# KiCad board Processor Board.kicad_pcb (continued)
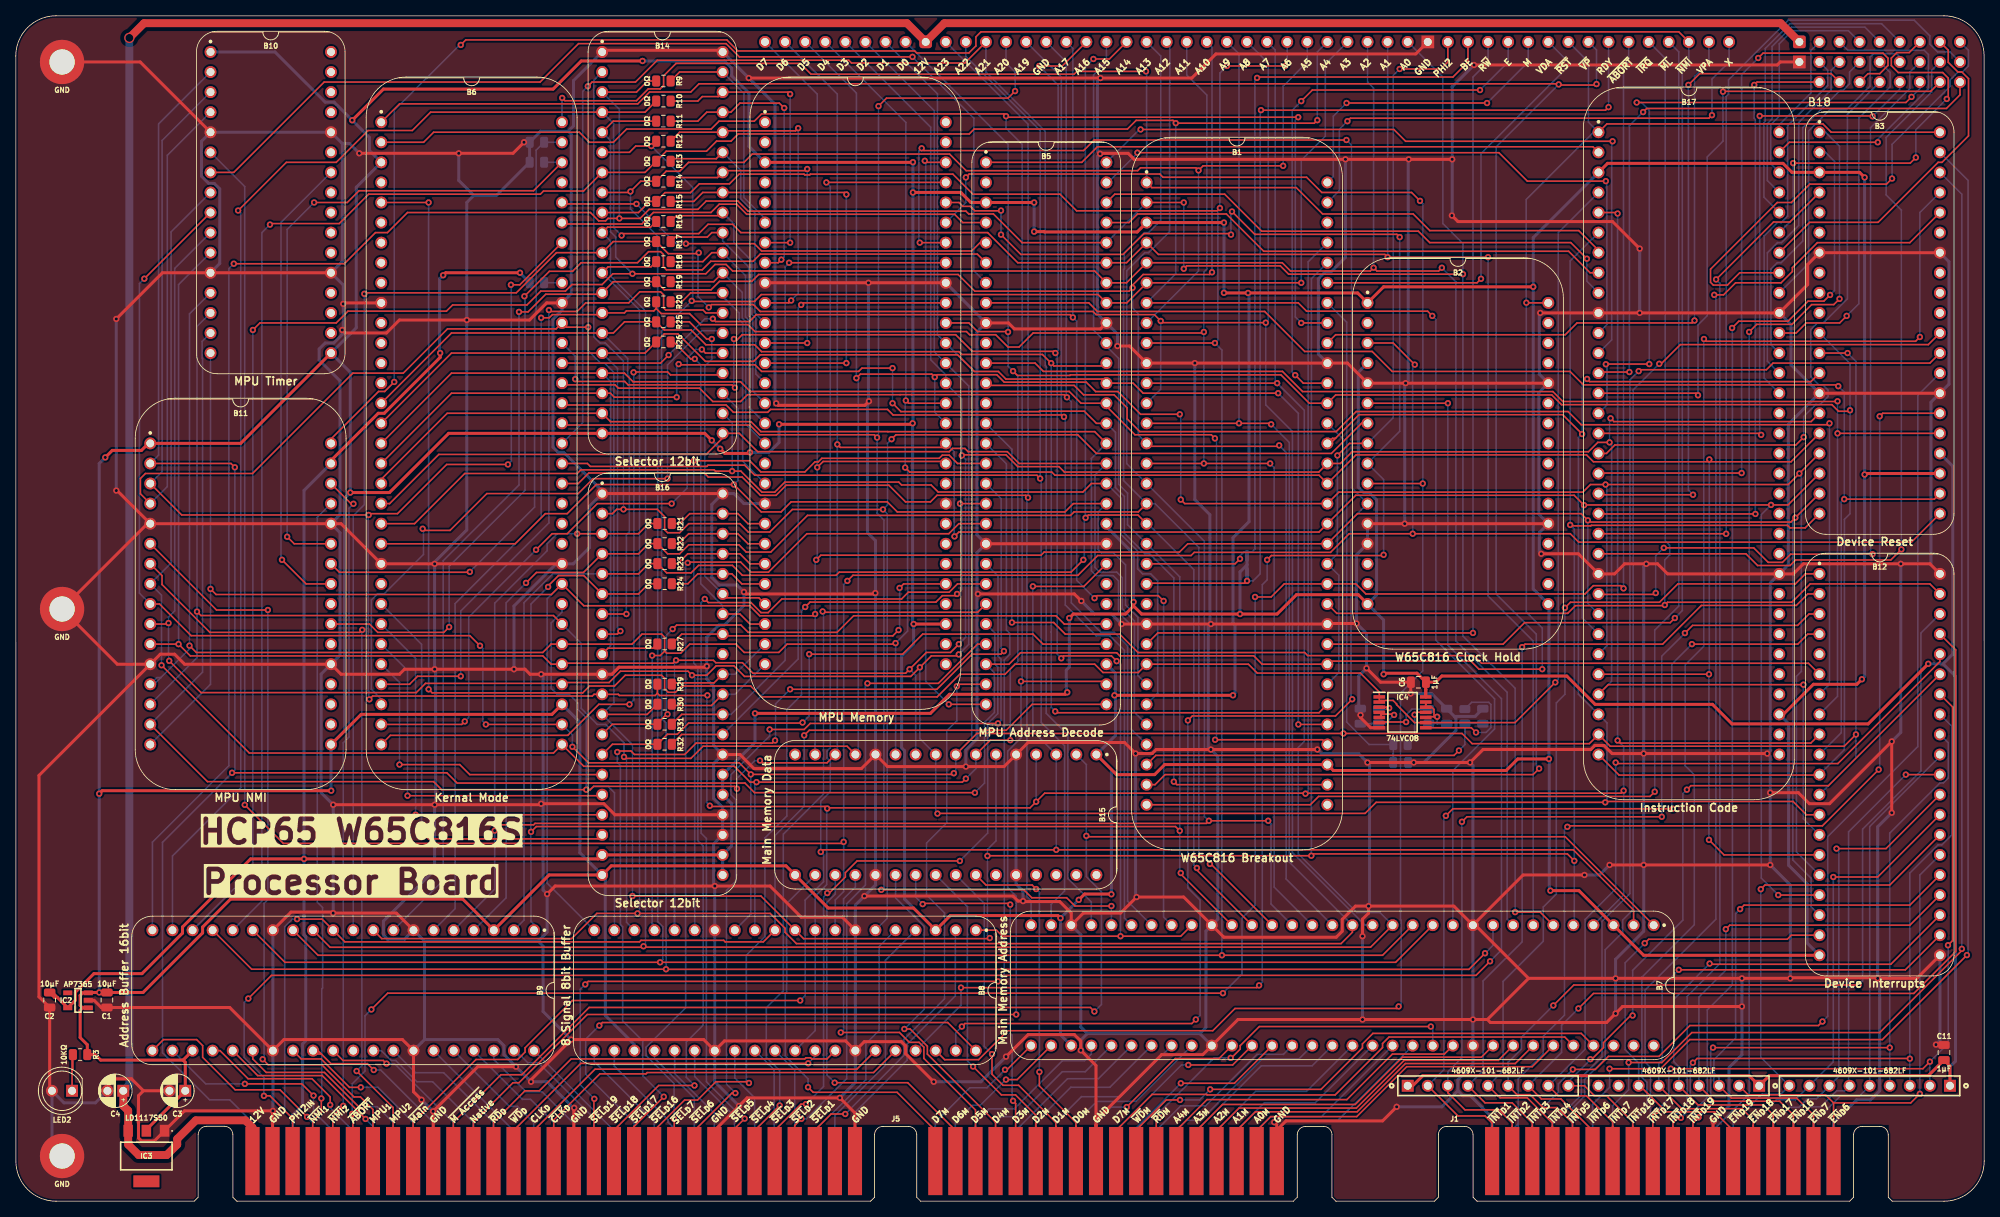
[diagram p0: board, top side]
## Routing (per net, layer and track width the routed paths; a pad name or vN(x,y) marks a point on that pad's centre or on a via; arc(x,y) is an arc through that point) (continued)
/IC12: length 44.4
  Top w0.2: v1(231.55,112.02) 230.65,111.13 226.42,111.13 225.15,109.86 B17.54
  Bottom w0.2: v1(231.55,112.02) 233.08,113.56 233.08,137.04 237.04,141 237.04,142.82 B18.14
/IC13: length 42.4
  Bottom w0.2: B17.53 221.97,108.37 221.97,117.95 222.76,118.75 223.25,118.75 225.99,121.48 225.99,135.84 230.71,140.56 231.07,140.56 231.91,141.39 231.91,142.88 B18.13
/IC14: length 44.1
  Bottom w0.2: B17.52 221.52,106.28 221.52,120.01 222.79,121.29 223.3,121.29 225.48,123.47 225.48,136.49 229.57,140.59 229.57,143.08 B18.12
/IC15: length 46.8
  Bottom w0.2: B17.51 221.11,104.15 221.11,122.15 222.78,123.83 223.27,123.83 224.08,124.63 224.08,136.1 229.15,141.17 229.15,143.1 B18.11
/Kernal Mode: length 2.3
  Bottom w0.2: R8.1 69.06,116.22
/M: length 38.7
  Top w0.2: v1(168.29,138.95) v1(186.06,138.95)
  Bottom w0.2: v1(168.29,138.95) 166.62,137.28 166.62,129.66 B1.64 ; v1(186.06,138.95) 186.08,138.95 191.27,144.15 B13.39
/OP0: length 60.9
  Top w0.2: v1(237.28,129.4) 236.58,128.69 226.87,128.69 224.55,126.37 222.76,126.37 214.33,117.93 214.33,116.27 214.68,115.91 216.46,115.91 218.02,117.48 B17.57
  Bottom w0.2: v1(237.28,129.4) 237.28,133.72 244.61,141.05 244.61,141.84 245.64,142.88 246.18,142.88 246.94,143.63 246.94,145.63 B18.9
/OP1: length 43.7
  Top w0.2: B17.58 226.86,123.86 235.52,123.86 243.11,131.45 243.6,131.45 246.95,134.8 246.95,142.04 246.12,142.88 245.62,142.88 244.39,144.1 244.39,145.63 B18.8
/OP2: length 50.3
  Top w0.2: B18.7 239.45,145.33 237.89,145.33 237.19,144.64 237.19,143.69 238.07,142.81 243.69,142.81 244.39,142.11 244.39,139.66 v1(244.2,139.47) ; v1(240.29,132.05) 239.58,131.35 v1(224.78,131.35)
  Bottom w0.2: v1(224.78,131.35) 224.78,124.31 B17.59 ; v1(240.29,132.05) 240.29,135.56 v1(244.2,139.47)
/OP3: length 40.9
  Bottom w0.2: B18.6 235.95,148.99 224.39,148.99 221.25,145.85 221.25,136.64 221.08,136.47 221.08,127.03 B17.60
/OP4: length 34.7
  Bottom w0.2: B18.5 233.85,148.55 224.55,148.55 222.11,146.11 222.11,136.93 221.51,136.34 221.51,129.14 B17.61
/OP5: length 28.6
  Bottom w0.2: B18.4 231.76,148.1 224.68,148.1 223.02,146.45 223.02,137.28 221.94,136.2 221.94,131.25 B17.62
/OP6: length 38.6
  Top w0.2: v1(235.48,133.99) 224.29,133.99 B17.63
  Bottom w0.2: B18.3 231.7,145.62 241.36,145.62 241.88,145.09 241.88,140.76 235.48,134.36 v1(235.48,133.99)
/OP7: length 13.5
  Bottom w0.2: B18.2 227.03,145.61 227.03,140.23 223.02,136.22 B17.64
/Opcode Valid: length 154.8
  Top w0.2: 200.16,120.31 197.66,122.81 178.82,122.81 176.72,124.92 165.27,124.92 161.93,128.25 143.66,128.25 143.29,128.62 ; v1(69.1,139.6) 69.45,139.25 78.49,139.25 79.99,140.74 81.48,140.74 81.92,141.18 81.92,142.39 83.5,143.97 99.2,143.97 100.56,142.6 133.85,142.6 134.2,142.95 v1(142.93,142.95)
  Bottom w0.2: B1.1 143.01,142.87 v1(142.93,142.95) ; v1(69.1,139.6) 69.07,139.57 B6.64
/PHI2: length 93.2
  Top w0.2: B13.35 181.11,144.15 180.22,143.26 v1(175.01,143.26) ; B2.8 168.66,95.89 v1(167.14,94.36)
  Bottom w0.2: v1(167.14,94.36) 167.14,81.92 B1.45 167.32,79.2 167.32,66.86 B1.39 ; B2.8 174.2,99.14 174.2,142.44 v1(175.01,143.26)
/RDY: length 126.4
  Top w0.2: 143.1,78.19 155.42,78.19 v1(155.71,78.49) ; v1(201.43,138.43) 201.05,138.05 v1(157.48,138.05)
  Bottom w0.2: NT2.1 v1(155.71,78.49) 156.47,78.49 157.36,79.38 157.36,137.93 v1(157.48,138.05) ; B13.43 v1(201.43,138.43)
/RTI: length 78.5
  Top w0.2: v1(57.41,79.63) 57.36,79.58 40.93,79.58 B11.26
  Bottom w0.2: B6.63 R7.1 65.8,132.98 65.8,112.49 65.61,112.3 65.61,87.83 v1(57.41,79.63)
/R~{W}: length 117.4
  Top w0.2: B1.24 144.43,71.9 v1(184.29,71.9)
  Bottom w0.2: B13.37 186.19,144.15 184.29,142.24 v1(184.29,71.9)
/SA0: length 27.8
  Top w0.2: B14.39 83.94,142.88 R9.2
  Bottom w0.2: 89.39,142.85 92.08,140.16 92.08,127 94.75,124.33
/SA1: length 38.5
  Top w0.2: 88.83,139.77 B14.38 ; 88.83,139.77 86.82,139.77 86.25,139.2 82.81,139.2 ; 88.83,139.77 B14.38 ; B14.38 97.67,140.34 v1(97.92,140.08) ; v1(97.92,121.29) 97.92,121.29 B4.7
  Bottom w0.2: v1(97.92,140.08) v1(97.92,121.29)
/SA2: length 37.1
  Top w0.2: v1(96.81,119.13) 96.43,118.75 B4.8 ; v1(97.17,138.33) 96.56,138.94 91.58,138.94 90.43,137.8 B14.37 87.38,137.8 86.25,136.66 82.81,136.66
  Bottom w0.2: v1(97.17,138.33) 97.16,138.31 97.16,119.48 v1(96.81,119.13)
/SA3: length 42.9
  Top w0.2: 83.38,134.69 83.38,134.69 R12.2 ; 83.38,134.69 82.81,134.12 ; 83.38,134.69 83.95,135.26 B14.36 ; B4.10 97.75,113.67 v1(98.05,113.97) ; v1(98.94,135.76) 98.61,135.44 89.57,135.44
  Bottom w0.2: v1(98.94,135.76) 98.94,114.86 v1(98.05,113.97)
/SA4: length 30.4
  Top w0.2: B14.35 88.58,131.91 83.14,131.91
  Bottom w0.2: B4.11 93.48,112.4 93.48,125.03 91.68,126.83 91.68,130.42 B14.35
/SA5: length 44.5
  Top w0.2: 82.81,129.05 83.28,129.53 88.74,129.53 89.07,129.85 ; 89.61,130.4 99.87,130.4 v1(100.08,130.61) ; B4.12 v1(100.08,108.59)
  Bottom w0.2: v1(100.08,108.59) v1(100.08,130.61)
/SA6: length 54.4
  Top w0.2: R15.2 85.74,126.5 86.88,127.64 B14.33 104.78,127.64 v1(105.04,127.38) ; v1(105.04,106.05) B4.13
  Bottom w0.2: v1(105.04,127.38) v1(105.04,106.05)
/SA7: length 31.3
  Top w0.2: R16.2 83.55,124.7 88.99,124.7
  Bottom w0.2: B4.14 93.59,104.67 93.59,111.72 93.08,112.23 93.08,118.97 90.82,121.23 90.82,123.67 90.1,124.38 ; 90.1,124.38 B14.32 90.1,124.38
/SA8: length 30.3
  Top w0.2: R17.2 83.38,121.99 87.45,121.99 88.02,122.56 B14.31
  Bottom w0.2: 89.39,122.03 89.39,121.5 92.68,118.21 92.68,112.06 93.19,111.56 93.19,102.53 B4.15
/SA9: length 30.9
  Top w0.2: B14.30 88.02,120.02 86.89,118.88 R18.2
  Bottom w0.2: B4.16 92.72,100.45 92.72,111.45 92.28,111.9 92.28,117.13 B14.30
/SA10: length 30.9
  Top w0.2: B14.29 88.26,116.34 R19.2
  Bottom w0.2: B4.17 92.32,98.32 92.32,111.3 91.88,111.73 91.88,114.99 B14.29
/SA11: length 33.6
  Top w0.2: R20.2 84.22,113.8 85.34,114.92 89.38,114.92
  Bottom w0.2: B4.19 91.92,93.64 91.92,111.13 91.48,111.57 91.48,112.39 89.9,113.98 ; 89.9,113.98 89.39,114.48 89.9,113.98
/SA12: length 12.8
  Top w0.2: R21.2 83.97,85.75 85.22,87 B16.39 91.32,87 92.59,85.73 B4.21
/SA13: length 12.8
  Top w0.2: B4.22 92.59,83.19 91.32,84.46 B16.38 85.1,84.46 83.85,83.21 R22.2
/SA14: length 12.8
  Top w0.2: R23.2 83.73,80.68 84.97,81.92 B16.37 91.58,81.92 92.84,80.65 B4.23
/SA15: length 12.8
  Top w0.2: R24.2 84.99,78.13 86.24,79.38 B16.36 90.56,79.38 91.83,78.11 B4.24
/SA16: length 45.4
  Top w0.2: v1(88.02,109.09) 87.36,109.09 85.19,111.26 82.98,111.26 ; B4.25 93.97,76.35 89.88,76.35 B16.35
  Bottom w0.2: B16.35 87.14,79.09 87.14,105.68 88.02,106.55 v1(88.02,109.09)
/SA17: length 43.2
  Top w0.2: B16.34 91.58,74.3 92.84,73.03 B4.26 ; 83.2,108.72 85.35,106.58 v1(85.86,106.58)
  Bottom w0.2: v1(85.86,106.58) 86.62,105.81 86.62,78.12 89.39,75.35 B16.34
/SA18: length 40.7
  Top w0.2: R27.2 84.21,71.76 B16.33 ; v1(111.64,72.26) 110.91,71.54 89.61,71.54 ; v1(111.77,77.6) 112.28,78.11 B4.33
  Bottom w0.2: v1(111.64,72.26) 111.77,72.39 v1(111.77,77.6)
/S~{RAM_{CS}}: length 83.8
  Top w0.2: B16.28 84.2,59.06 R32.2 ; v1(99.32,113.41) 99.58,113.67 B4.47
  Bottom w0.2: v1(99.32,113.41) 98.94,113.03 98.94,68.6 B16.28
/S~{RD}: length 13.7
  Top w0.2: 83.12,65.59 88.3,65.59 B16.31
  Bottom w0.2: B16.31 90.94,66.68 B4.27
/S~{ROM_{CS}}: length 88
  Top w0.2: B16.29 84.21,61.6 R31.2 ; B4.49 v1(97.8,118.75)
  Bottom w0.2: v1(97.8,118.75) 97.29,118.24 97.29,68.43 90.45,61.6 B16.29
/S~{WD}: length 13.8
  Top w0.2: B16.30 87.98,62.72 83.13,62.72
  Bottom w0.2: B4.28 90.94,64.14 B16.30
/UP0: length 86.8
  Top w0.2: B6.32 47.37,58.95 69.81,58.95 73.73,62.87 v1(77.61,62.87) ; 88.97,104.55 82.8,104.55 82.43,104.92 78.17,104.92 v1(78.12,104.88)
  Bottom w0.2: v1(78.12,104.88) 78.18,104.82 78.18,63.44 v1(77.61,62.87)
/UP1: length 80.1
  Top w0.2: v1(56.78,60.71) 56.4,60.33 B6.31 ; v1(86.76,107.77) 87.21,107.32 B14.25 ; v1(82.94,88.27) 73.54,88.27 69.73,84.46 67.83,84.46 v1(65.79,82.42)
  Bottom w0.2: v1(82.94,88.27) 84.89,90.22 84.89,106.67 85.99,107.77 v1(86.76,107.77) ; v1(65.79,82.42) 57.28,73.91 57.28,61.21 v1(56.78,60.71)
/UP2: length 82.6
  Top w0.2: v1(51.45,85.08) 51.67,84.87 54.91,84.87 59.57,89.54 71.13,89.54 73.01,91.42 v1(82.42,91.42)
  Bottom w0.2: v1(82.42,91.42) 82.42,105.82 86.75,110.15 89.1,110.15 ; v1(51.45,85.08) 51.56,84.98 51.56,81.83 46.56,76.84 45.73,76.84 44.97,76.07 44.97,64.77 46.21,63.52 B6.30
/UP3: length 86.6
  Top w0.2: B6.29 49.79,65.41 50.81,66.42 v1(56.27,66.42) ; v1(67.42,112.76) 67.6,112.58 70.99,112.58 72.07,113.67 77.52,113.67 78.91,115.06 81.54,115.06 81.92,114.68 81.92,113.03 82.19,112.76 86.91,112.76 87.28,112.4 B14.27
  Bottom w0.2: v1(67.42,112.76) 67.42,85.83 56.27,74.68 v1(56.27,66.42)
/UP4: length 39.8
  Top w0.2: v1(48.52,55.25) 56.14,55.25 57.41,53.98 B16.15
  Bottom w0.2: v1(48.52,55.25) 48.52,65.64 B6.28
/UP5: length 45
  Top w0.2: 74.03,51.31 v1(49.54,51.31)
  Bottom w0.2: B6.27 49.54,67.16 v1(49.54,51.31)
/UP6: length 49.5
  Top w0.2: B16.17 v1(50.55,48.9)
  Bottom w0.2: v1(50.55,48.9) 50.55,68.68 B6.26
/UP7: length 54.1
  Top w0.2: v1(51.7,46.36) 52.2,45.85 73.64,45.85 73.99,46.19
  Bottom w0.2: v1(51.7,46.36) 51.32,46.74 51.32,70.46 B6.25
/VDA: length 55.2
  Top w0.2: v1(185.3,116.71) 184.79,116.21 B1.59
  Bottom w0.2: v1(185.3,116.71) 185.3,132.54 196.35,143.59 196.35,144.15 B13.40
/VPA: length 83.6
  Top w0.2: v1(212.3,111.43) 212,111.13 197.45,111.13 195.96,109.64 166.92,109.64 B1.56
  Bottom w0.2: v1(212.3,111.43) 212.3,142.32 214.13,144.15 B13.48
/X: length 67.9
  Top w0.2: v1(214.51,137.41) 214.13,137.03 168.79,137.03 v1(168.41,136.65)
  Bottom w0.2: B1.63 167.39,127.89 167.39,135.64 v1(168.41,136.65) ; v1(214.51,137.41) 214.51,141.99 216.67,144.15 B13.49
/~{Clear Counter}: length 78
  Top w0.2: 199.77,133.11 199.46,133.42 136.78,133.42 134.81,131.45 B5.1
/~{CLK}: length 224.2
  Top w0.2: v1(109.67,87.53) 98.2,87.53 95.35,84.68 92.62,84.68 91.58,85.73 85.1,85.73 83.95,84.58 82.43,84.58 82.05,84.96 82.05,86.61 81.13,87.54 v1(76.85,87.54) 75.99,87.54 75.45,87 B16.2 ; B2.7 170.19,98.43 166.38,94.62 136.66,94.62 134.31,96.97 111.3,96.97 v1(110.75,96.42)
  Bottom w0.2: v1(110.75,96.42) 110.24,95.91 110.24,88.1 v1(109.67,87.53) 110.21,86.99 110.21,35.79 B8.6 ; v1(76.85,87.54) 76.85,106.29 74.56,108.59 73.88,108.59 73.09,109.37 73.09,141.82 B14.2
/~{Count Access}_{0}: length 65.8
  Top w0.2: B17.8 199.1,117.48 196.38,120.2 157.82,120.2 153.1,124.91 141.87,124.91 140.78,123.83 B5.53
/~{Count Access}_{1}: length 69.5
  Top w0.2: B5.54 138.98,127.42 152.88,127.42 157.56,122.74 177.37,122.74 178.82,121.29 196.65,121.29 v1(198.69,119.25)
  Bottom w0.2: B17.9 198.69,116.41 v1(198.69,119.25)
/~{Count Access}_{2}: length 85.7
  Top w0.2: v1(201.08,129.07) 191.16,129.07 187.56,132.67 v1(141.84,132.67)
  Bottom w0.2: 138.15,128.91 141.84,132.6 v1(141.84,132.67) ; v1(201.08,129.07) 201.21,128.94 201.21,110.91 B17.11
/~{Count Access}_{3}: length 93.9
  Top w0.2: v1(142.25,135.61) 174.27,135.61 175.77,134.11 v1(201.94,134.11)
  Bottom w0.2: B5.56 142.09,135.61 v1(142.25,135.61) ; B17.12 201.82,108.98 201.82,134 v1(201.94,134.11)
/~{Device Interrupt}_{ 1..7}: length 131.4
  Top w0.2: B12.6 226.71,68.07 185.37,68.07 184.4,69.04 163.38,69.04 163,69.42 141.92,69.42 139.59,71.76 132.72,71.76 131.25,73.22 v1(125.98,73.22)
  Bottom w0.2: v1(125.98,73.22) 125.98,95.14 B5.14
/~{Device Interrupt}_{ 16..19}: length 146.3
  Top w0.2: v1(229.37,98.43) 229.19,98.25 197.98,98.25 196.31,99.92 169.52,99.92 166.98,97.38 142.16,97.38 140.53,99 140.53,100.39 138.9,102.03 135.04,102.03 133.84,103.23 122.97,103.23
  Bottom w0.2: B12.7 229.37,65.41 v1(229.37,98.43)
/~{Device Reset/Enable}_{ 1..7}: length 163.2
  Top w0.2: B5.11 128.9,106.05 129.95,105 160.19,105 162.74,102.44 194.39,102.44 195.65,101.19 230.35,101.19 v1(230.39,101.22) ; B3.25 v1(230.39,97.16)
  Bottom w0.2: v1(230.39,101.22) v1(230.39,97.16) 230.39,63.88 B12.8
/~{Device Reset/Enable}_{ 16..19}: length 172.8
  Top w0.2: v1(230.48,103.12) 230.32,103.29 198.26,103.29 196.55,104.99 174.06,104.99 171.54,107.51 163,107.51 157.94,112.58 136.79,112.58 135.7,113.67 B5.8 ; v1(231.24,88.83) 242.63,88.83 B3.22
  Bottom w0.2: v1(230.48,103.12) 231.24,102.37 v1(231.24,88.83) 230.86,88.44 230.86,59.27 B12.10
/~{Interrupt Depth}: length 55.4
  Top w0.2: 69.25,123.65 79.17,123.65 80.63,125.1 87.91,125.1 88.96,126.15 91.16,126.15 92.43,124.88 118.72,124.88 119.77,123.83 B5.4
/~{IRQ}: length 152.6
  Top w0.2: B1.43 167.05,74.38 196.26,74.38 197.23,75.35 208.45,75.35 v1(208.54,75.44) 208.89,75.78 224.61,75.78 226.93,78.11 242.07,78.11 B12.39
  Bottom w0.2: B13.45 208.59,144.6 208.59,83.55 209.17,82.98 209.17,81.77 208.54,81.15 v1(208.54,75.44)
/~{ML}: length 161.6
  Top w0.2: B1.32 163.71,50.17 164.76,51.22 206.67,51.22 v1(207.27,51.82)
  Bottom w0.2: B13.46 210.31,145.43 210.31,75.3 207.27,72.26 v1(207.27,51.82)
/~{NMI State}: length 125.4
  Top w0.2: v1(64.32,114.5) 67.48,117.66 70.41,117.66 71.49,118.75 78.62,118.75 80.02,120.14 81.54,120.14 81.9,119.78 81.9,118.23 82.29,117.84 86.81,117.84 87.89,118.93 93.24,118.93 94.15,119.84 121.6,119.84 B5.6 ; v1(54.8,72.64) 54.13,71.97 45.78,71.97 44.73,73.03 B11.23
  Bottom w0.2: v1(54.8,72.64) 54.8,80.34 64.4,89.94 64.4,114.43 v1(64.32,114.5)
/~{NMI}: length 334.7
  Top w0.2: v1(209.81,73.79) 209.23,73.2 190.81,73.2 188.09,70.49 B1.41 ; 39.86,96.44 45.88,102.46 46.65,102.46 v1(47.86,103.66) ; B13.47 210.32,147.96 122.05,147.96 121.42,147.32 121.42,146.18 120.53,145.29 113.93,145.29 113.67,145.54 91.32,145.54 89.92,146.94 56.9,146.94 v1(56.27,146.3)
  Bottom w0.2: v1(209.81,73.79) 210.76,74.74 210.76,143.32 211.59,144.15 B13.47 ; v1(47.86,103.66) 47.86,138.02 56.14,146.3 v1(56.27,146.3)
/~{PHI2}: length 286.6
  Top w0.2: v1(52.2,126.37) B6.5 ; IC4.2 172.43,64.43 170.04,66.82 157.01,66.82 155.88,67.95 B1.25 141.96,66.9 137.5,66.9 136.45,67.95 126.37,67.95 125.1,66.68 119.39,66.68 116.52,63.81 94.32,63.81 92.94,65.19 84.22,65.19 83.42,64.39 82.5,64.39 82.05,64.84 82.05,66.17 81.67,66.55 77.08,66.55 75.71,65.19 72.56,65.19 71.69,64.32 52.66,64.32 v1(52.2,64.77) ; 172.54,63.26 172.64,63.36 174.18,63.36 174.62,62.92 174.62,62.83 176.89,60.56 IC4.9 189.61,60.56 v1(194.7,65.65)
  Bottom w0.2: B17.4 195.07,122.54 195.07,66.02 v1(194.7,65.65) ; v1(52.2,64.77) v1(52.2,126.37)
/~{PHI2}_{2}: length 7.8
  Top w0.2: 172.55,61.32 172.66,61.44 172.66,61.63 ; 172.66,61.63 172.55,61.74 ; 172.66,61.63 174.21,61.63 v1(174.31,61.53)
  Bottom w0.2: C7.1 171.44,60.42 ; 171.44,60.42 172.31,60.42 ; 171.44,60.42 171.46,60.44 R1.1 173.22,60.44 v1(174.31,61.53)
/~{PHI2}_{3}: length 7.2
  Top w0.2: v1(179.75,61.3) 179.36,61.3 ; 179.36,61.3 179.36,62.23 179.07,62.51 178.69,62.51 ; 179.36,61.3 178.4,61.3 ; 178.31,62.83 IC4.13 178.31,62.83 178.31,62.83 ; 178.31,62.83 IC4.12
  Bottom w0.2: 179.75,60.44 v1(179.75,61.3) ; 179.75,60.44 179.78,60.42 C8.1 ; 179.75,60.44 R2.1
/~{RAM_{CS}}: length 75.2
  Top w0.2: v1(100.34,69.22) 112.15,69.22 114.69,71.76 128.64,71.76 129.91,70.49 B5.32 ; v1(99.5,60.56) 99.43,60.5 85.08,60.5 83.66,59.08 82.4,59.08 R32.1 75.45,57.82 B16.14
  Bottom w0.2: v1(99.5,60.56) 100.34,61.41 v1(100.34,69.22)
/~{RD}: length 562.2
  Top w0.2: v1(202.57,58.29) 202.9,57.97 227.01,57.97 B12.9 ; v1(203.34,51.94) 203.02,51.63 163.16,51.63 v1(163.1,51.56) 163.04,51.63 130.12,51.63 v1(129.04,50.55) 128.27,49.77 102.7,49.77 v1(102.61,49.69) 102.35,49.95 87.86,49.95 v1(87.77,50.04) ; B17.5 202.45,125.1 v1(202.57,124.97) ; B6.58 63.74,115.95 v1(62.62,115.95) ; v1(87.46,64.01) 87.44,63.99 81.41,63.99 81.14,64.26 ; 81.14,64.26 80.86,63.99 76.33,63.99 76.19,64.14 B16.11 73.12,64.14 72.91,63.92 45.13,63.92 v1(44.71,63.5) ; 81.14,64.26 R29.1 ; v1(62.24,93.22) 54.49,93.22 48.27,87 44.79,87 v1(44.63,86.83) 20.98,86.83 B11.3
  Bottom w0.2: v1(62.24,93.22) 62.66,93.64 62.66,115.91 v1(62.62,115.95) ; B15.4 v1(129.04,50.55) ; v1(87.46,64.01) 87.4,63.95 87.4,50.4 v1(87.77,50.04) ; v1(202.57,124.97) v1(202.57,58.29) 203.34,57.53 v1(203.34,51.94) 203.34,38.74 199.52,34.93 ; v1(102.61,49.69) 102.55,49.62 102.55,40.06 101.09,38.6 B8.9 101.09,21.59 B8.31 ; v1(44.71,63.5) 44.63,63.59 44.63,64.54 44.57,64.6 44.57,86.77 v1(44.63,86.83) ; B1.61 163.44,118.85 163.44,51.9 v1(163.1,51.56) ; B11.3 18.5,92.3 18.5,134.21 B10.3
/~{ROM_{CS}}: length 77.2
  Top w0.2: v1(83.07,72.39) 83.57,72.9 91.7,72.9 92.62,71.98 103.86,71.98 105.96,74.08 131.55,74.08 132.6,73.03 B5.33 ; 81.14,60.46 82.29,61.62 v1(82.42,61.62) ; R31.1 75.44,60.35 B16.13
  Bottom w0.2: v1(82.42,61.62) 82.29,61.74 82.29,71.62 v1(83.07,72.39)
/~{Special}: length 77.5
  Top w0.2: B4.54 115.16,131.45 v1(114.95,131.65) ; B5.28 v1(117.99,62.87)
  Bottom w0.2: v1(114.95,131.65) 115.07,131.53 115.07,65.79 v1(117.99,62.87)
/~{Timer Speed Select}: length 128.7
  Top w0.2: v1(113.4,144.79) 91.5,144.79 89.83,146.47 71.16,146.47 66.3,141.61 39,141.61 27.57,130.18 B10.7
  Bottom w0.2: v1(113.4,144.79) 121.17,137.03 121.17,117.73 B5.7
/~{Timer}: length 59.2
  Top w0.2: B11.25 36.71,78.11 v1(33.66,81.15)
  Bottom w0.2: B10.26 33.54,123.85 33.54,81.28 v1(33.66,81.15)
/~{Trans Out}: length 64.5
  Bottom w0.2: 174.21,56.66 174.21,55.53 ; 174.21,56.66 R5.1 171.15,57.79 168.31,60.63 168.31,111.23 B1.58 ; 174.21,56.66 174.18,56.64 C10.1
/~{User Program}: length 55.9
  Top w0.2: 69.25,126.19 v1(78.49,126.19) ; 122.15,121.5 120.89,120.24 94.32,120.24 93.39,121.16 v1(84.75,121.16)
  Bottom w0.2: v1(84.75,121.16) 83.52,121.16 v1(78.49,126.19)
/~{VP}: length 304.2
  Top w0.2: v1(192.65,54.74) 191.89,53.98 145.34,53.98 144.07,52.71 B1.31 ; v1(199.91,141.35) 199.78,141.22 195.21,141.22 v1(195.12,141.31) 195.05,141.39 86.4,141.39 85.36,140.34 80.15,140.34 78.66,138.85 48.53,138.85 B6.1
  Bottom w0.2: B13.42 199.91,145.67 v1(199.91,141.35) ; v1(192.65,54.74) 192.3,55.09 192.3,71.74 187.21,76.84 187.21,133.39 v1(195.12,141.31)
/~{WD}: length 548.2
  Top w0.2: v1(197.1,43.07) 196.22,43.94 164.07,43.94 v1(163.84,43.71) 122.9,43.71 v1(122.88,43.69) ; R30.1 79.85,61.6 B16.12 ; B3.20 226.3,85.19 224.38,85.19 224.06,85.51 199.25,85.51 199.18,85.45 196.7,85.45 v1(196.58,85.57) ; v1(77.99,38.61) 94.23,38.61 B8.10 99.62,33.22 123.1,33.22 v1(123.17,33.3) ; B11.4 15.76,89.51 15.76,91.44 16.39,92.08 29.93,92.08 42.63,104.78 49,104.78 54.6,110.38 68.32,110.38 B6.54 69.61,110.58 v1(72.39,110.58)
  Bottom w0.2: 123.96,56.51 123.96,45.59 122.88,44.51 v1(122.88,43.69) 122.88,33.59 v1(123.17,33.3) ; v1(77.99,38.61) 77.99,57.76 B16.12 75.64,63.08 75.64,104.86 74.46,106.05 73.94,106.05 72.39,107.59 v1(72.39,110.58) ; B17.6 196.58,118.97 v1(196.58,85.57) 197.1,85.05 v1(197.1,43.07) 197.1,35.05 ; B1.60 163.85,116.73 163.85,43.72 v1(163.84,43.71) ; B10.4 19.16,132.33 19.16,90.42 B11.4
A0_{D}: length 27.1
  Top w0.2: v1(36.84,10.67) 33.41,14.1 27.74,14.1 23.63,18.21 23.63,19.69 22.87,20.45 18.67,20.45 B9.21
  Bottom w0.2: 37.55,8.94 37.55,9.96 v1(36.84,10.67)
A0_{M}: length 42
  Top w0.2: 156.93,8.93 158.7,10.7 169.59,10.7 175.9,17.02 191.77,17.02 B7.59
A1_{D}: length 25.6
  Top w0.2: v1(28.96,14.85) 36.17,14.85 v1(37.65,13.36)
  Bottom w0.2: v1(37.65,13.36) 37.65,11.37 40.09,8.93 ; B9.22 24.02,14.85 v1(28.96,14.85)
A1_{M}: length 42
  Top w0.2: 154.39,8.93 156.77,11.31 169.63,11.31 175.74,17.42 189.63,17.42 191.9,19.69
A2_{D}: length 22.7
  Top w0.2: B9.24 25.82,19.05 29.38,15.49 37.46,15.49 39.76,13.19 v1(39.76,12.19)
  Bottom w0.2: 42.63,8.93 39.76,11.8 v1(39.76,12.19)
A2_{M}: length 42
  Top w0.2: B7.57 187.49,17.82 175.57,17.82 169.54,11.78 154.7,11.78 151.85,8.94
A3_{D}: length 26.1
  Top w0.2: B9.25 30.59,15.89 38.75,15.89 v1(44.23,10.41)
  Bottom w0.2: v1(44.23,10.41) 45.17,9.47 J5.A7
A3_{M}: length 42
  Top w0.2: B7.56 185.35,18.22 175.37,18.22 169.39,12.24 152.62,12.24 149.31,8.93
A4_{D}: length 23.2
  Top w0.2: v1(43.81,11.96) 43.36,11.96 39.03,16.29 31.67,16.29 29.97,17.99 B9.26
  Bottom w0.2: v1(43.81,11.96) 45.71,11.96 47.71,9.96 47.71,8.93
A4_{M}: length 39.4
  Top w0.2: 181.74,19.69 180.67,18.62 174.1,18.62 168.34,12.86 150.65,12.86 146.77,8.97
A5_{D}: length 19.9
  Top w0.2: v1(43.63,14.41) 42.2,14.41 38.61,18 36.1,18 B9.28
  Bottom w0.2: v1(43.63,14.41) 45.8,14.41 50.25,9.96 50.25,8.99
A5_{M}: length 45.4
  Top w0.2: v1(144.66,10.61) 144.23,10.18 144.23,7.63 ; v1(178.95,22.1) 157.26,22.1 154.85,19.68 154.85,19.25 153.74,18.14 v1(153.64,18.14)
  Bottom w0.2: v1(144.66,10.61) 144.66,11.25 151.55,18.14 v1(153.64,18.14) ; v1(178.95,22.1) 179.2,21.85 B7.53
A6_{D}: length 19.8
  Top w0.2: 38.63,18.62 38.02,18.62 ; 38.63,18.62 38.21,19.05 ; 38.63,18.62 39.85,17.41 44.46,17.41 v1(45.26,16.6)
  Bottom w0.2: 52.79,9.08 52.79,9.96 46.15,16.6 v1(45.26,16.6)
A6_{M}: length 21.6
  Bottom w0.2: 159.47,8.99 160.62,10.14 167.11,10.14 B7.52
A7_{D}: length 20
  Top w0.2: v1(46.88,17.4) 46.48,17.81 41.38,17.81 B9.30
  Bottom w0.2: 55.33,8.95 55.33,9.96 47.88,17.4 v1(46.88,17.4)
A7_{M}: length 21.6
  Bottom w0.2: 174.12,19.69 165.13,10.7 158.7,10.7 156.93,8.93
A8_{D}: length 17.4
  Bottom w0.2: B9.32 46.22,19.05 47.47,17.8 48.05,17.8 50.74,15.11 52.71,15.11 57.87,9.96 57.87,8.94
A8_{M}: length 21.6
  Bottom w0.2: 154.39,8.94 157.89,12.44 164.33,12.44 B7.50
A9_{D}: length 17.4
  Bottom w0.2: 60.41,8.95 60.41,9.96 54.11,16.26 50.55,16.26 B9.33
A9_{M}: length 21.6
  Bottom w0.2: B7.49 163.25,13.9 156.81,13.9 151.85,8.93
A10_{D}: length 14.3
  Bottom w0.2: 62.95,8.93 B9.35
A10_{M}: length 21.6
  Bottom w0.2: 149.31,8.93 157.51,17.13 163.94,17.13 B7.48
A11_{D}: length 18.8
  Bottom w0.2: B9.36 62.42,12 63.45,12 65.49,9.96 J5.A15
A11_{M}: length 21.6
  Bottom w0.2: 163.96,19.69 162.28,18.01 157.61,18.01 149.83,10.23 148.02,10.23 146.77,8.98
A12_{D}: length 18.8
  Bottom w0.2: J5.A16 68.03,9.96 65.1,12.89 64.08,12.89 B9.37
A12_{M}: length 21.6
  Bottom w0.2: B7.46 160.31,18.58 156.97,18.58 150.46,12.06 147.33,12.06 144.23,8.96
A13_{D}: length 15.5
  Bottom w0.2: B9.38 60.45,17.92 64.52,13.84 66.56,13.84 70.57,9.83 70.57,8.93
A13_{M}: length 21.5
  Top w0.2: v1(147.34,14.92) 154.11,14.92 B7.45
  Bottom w0.2: v1(147.34,14.92) 141.69,9.27
A14_{D}: length 16
  Bottom w0.2: 63.95,18.32 63.22,19.05 ; 63.95,18.32 63.72,18.32 B9.39 ; 63.95,18.32 64.74,17.53 66.09,17.53 73.11,10.51 73.11,9.16
A14_{M}: length 21.6
  Top w0.2: 156.34,19.69 153.89,17.24 v1(148.28,17.24)
  Bottom w0.2: v1(148.28,17.24) 147.42,17.24 139.15,8.97
A15_{D}: length 14.3
  Bottom w0.2: 75.65,8.93 B9.40
A15_{M}: length 26.6
  Top w0.2: v1(140.49,11.91) 146.64,18.06 152.17,18.06 153.8,19.69
  Bottom w0.2: v1(140.49,11.91) 138.54,11.91 136.61,9.98 136.61,9.46 ; 136.61,9.46 J5.C9 ; 136.61,9.46 136.61,8.94
A16_{D}: length 69.6
  Top w0.2: B8.40 117.86,22.61 74.18,22.61 v1(73.8,22.23)
  Bottom w0.2: J5.A20 78.19,9.96 72.07,16.07 72.07,20.5 v1(73.8,22.23)
A16_{M}: length 24.1
  Bottom w0.2: 134.07,9.46 134.07,8.93 ; 134.07,9.46 J5.C8 ; 134.07,9.46 134.07,9.98 136.71,12.62 141.66,12.62 148.72,19.69
A17_{M}: length 24.1
  Bottom w0.2: 131.53,9.46 J5.C7 ; 131.53,9.46 131.53,9.98 134.77,13.23 139.72,13.23 146.18,19.69 ; 131.53,9.46 131.53,8.93
A18_{M}: length 24.1
  Bottom w0.2: 128.99,9.46 128.99,9.98 133.42,14.41 138.37,14.41 B7.39 ; 128.99,9.46 J5.C6 ; 128.99,9.46 128.99,8.94
A19_{M}: length 19.1
  Bottom w0.2: 126.45,8.94 133.01,15.49 136.91,15.49 141.1,19.69
A20_{M}: length 21.1
  Bottom w0.2: B7.37 135.26,16.38 132.34,16.38 126.65,10.69 124.61,10.69 123.91,9.98 123.91,7.53
A21_{M}: length 24.7
  Bottom w0.2: 121.37,8.95 121.37,9.47 ; 121.37,9.47 J5.C3 ; 121.37,9.47 121.37,9.98 123.07,11.68 126.27,11.68 132.37,17.78 135.17,17.78 136.02,18.62 136.02,19.69
A22_{M}: length 18.6
  Top w0.2: B7.34 126.64,15.39 v1(125.22,15.39)
  Bottom w0.2: 118.83,7.53 118.83,9.98 120.99,12.14 121.98,12.14 v1(125.22,15.39)
A23_{M}: length 21.5
  Top w0.2: v1(125.1,16.64) 125.35,16.64 128.4,19.69
  Bottom w0.2: v1(125.1,16.64) 122.82,14.35 120.66,14.35 116.29,9.98 116.29,9.5 ; 116.29,9.5 J5.C1 ; 116.29,9.5 116.29,9.02
CLK_{D}: length 47.4
  Top w0.2: B8.35 106.36,16.7 73.25,16.7 65.49,8.94
CLK_{IN}: length 263
  Top w0.2: v1(31.38,13.34) 32.14,13.34 35.01,10.47 35.01,8.98 ; v1(29.4,25.64) 32.34,28.58 184.67,28.58 v1(186.44,30.35) ; B2.6 v1(181.11,100.97)
  Bottom w0.2: v1(29.4,25.64) 28.88,25.12 28.88,18.17 31.38,15.67 v1(31.38,13.34) ; v1(186.44,30.35) 187.89,31.8 187.89,63.58 181.11,70.36 v1(181.11,100.97)
D0_{D}: length 12.6
  Bottom w0.2: B8.30 98.51,16.55 98.51,7.5
D0_{M}: length 45.3
  Top w0.2: B15.26 122.69,40.01 128.53,40.01 v1(129.04,39.5) ; 134.07,9.46 134.07,9.96 129.45,14.58 v1(129.45,16.36) ; 134.07,9.46 134.07,8.97 ; 134.07,9.46 134.07,9.46 J5.D8
  Bottom w0.2: v1(129.45,16.36) 129.45,39.09 v1(129.04,39.5)
D1_{D}: length 11.7
  Bottom w0.2: 95.9,8.38 95.9,16.62 B8.29
D1_{M}: length 43.1
  Top w0.2: 131.53,8.94 131.53,9.45 ; 131.53,9.45 131.53,9.96 126.82,14.66 124.85,14.66 123.46,16.06 v1(123.46,18.61) ; 131.53,9.45 J5.D7
  Bottom w0.2: v1(123.46,18.61) 122.47,19.59 122.47,37.68 B15.25
D2_{D}: length 12
  Bottom w0.2: 93.43,8.04 93.43,13.09 90.93,15.58 B8.28
D2_{M}: length 43.4
  Top w0.2: v1(121.06,17.04) 124.65,13.45 126.43,13.45 128.99,10.89 128.99,10 ; 128.99,10 J5.D6 ; 128.99,10 128.99,9.11
  Bottom w0.2: B15.24 120.35,37.27 120.35,17.75 v1(121.06,17.04)
